# Altium PCB PCB_v6.PcbDoc (part 3 of 7)
Units mil, origin at the board's own origin, x right, y up, seen from the top; angles counter-clockwise.
Board outline 6750 x 6000 mil, 6 copper layers (Top Layer, Int1 (GND), Int2 (Sign), Int3 (Sign), Int4 (PWR), Bottom Layer), stack 61.067 mil thick; 476 components, 584 nets, 2542 pads, 986 vias.
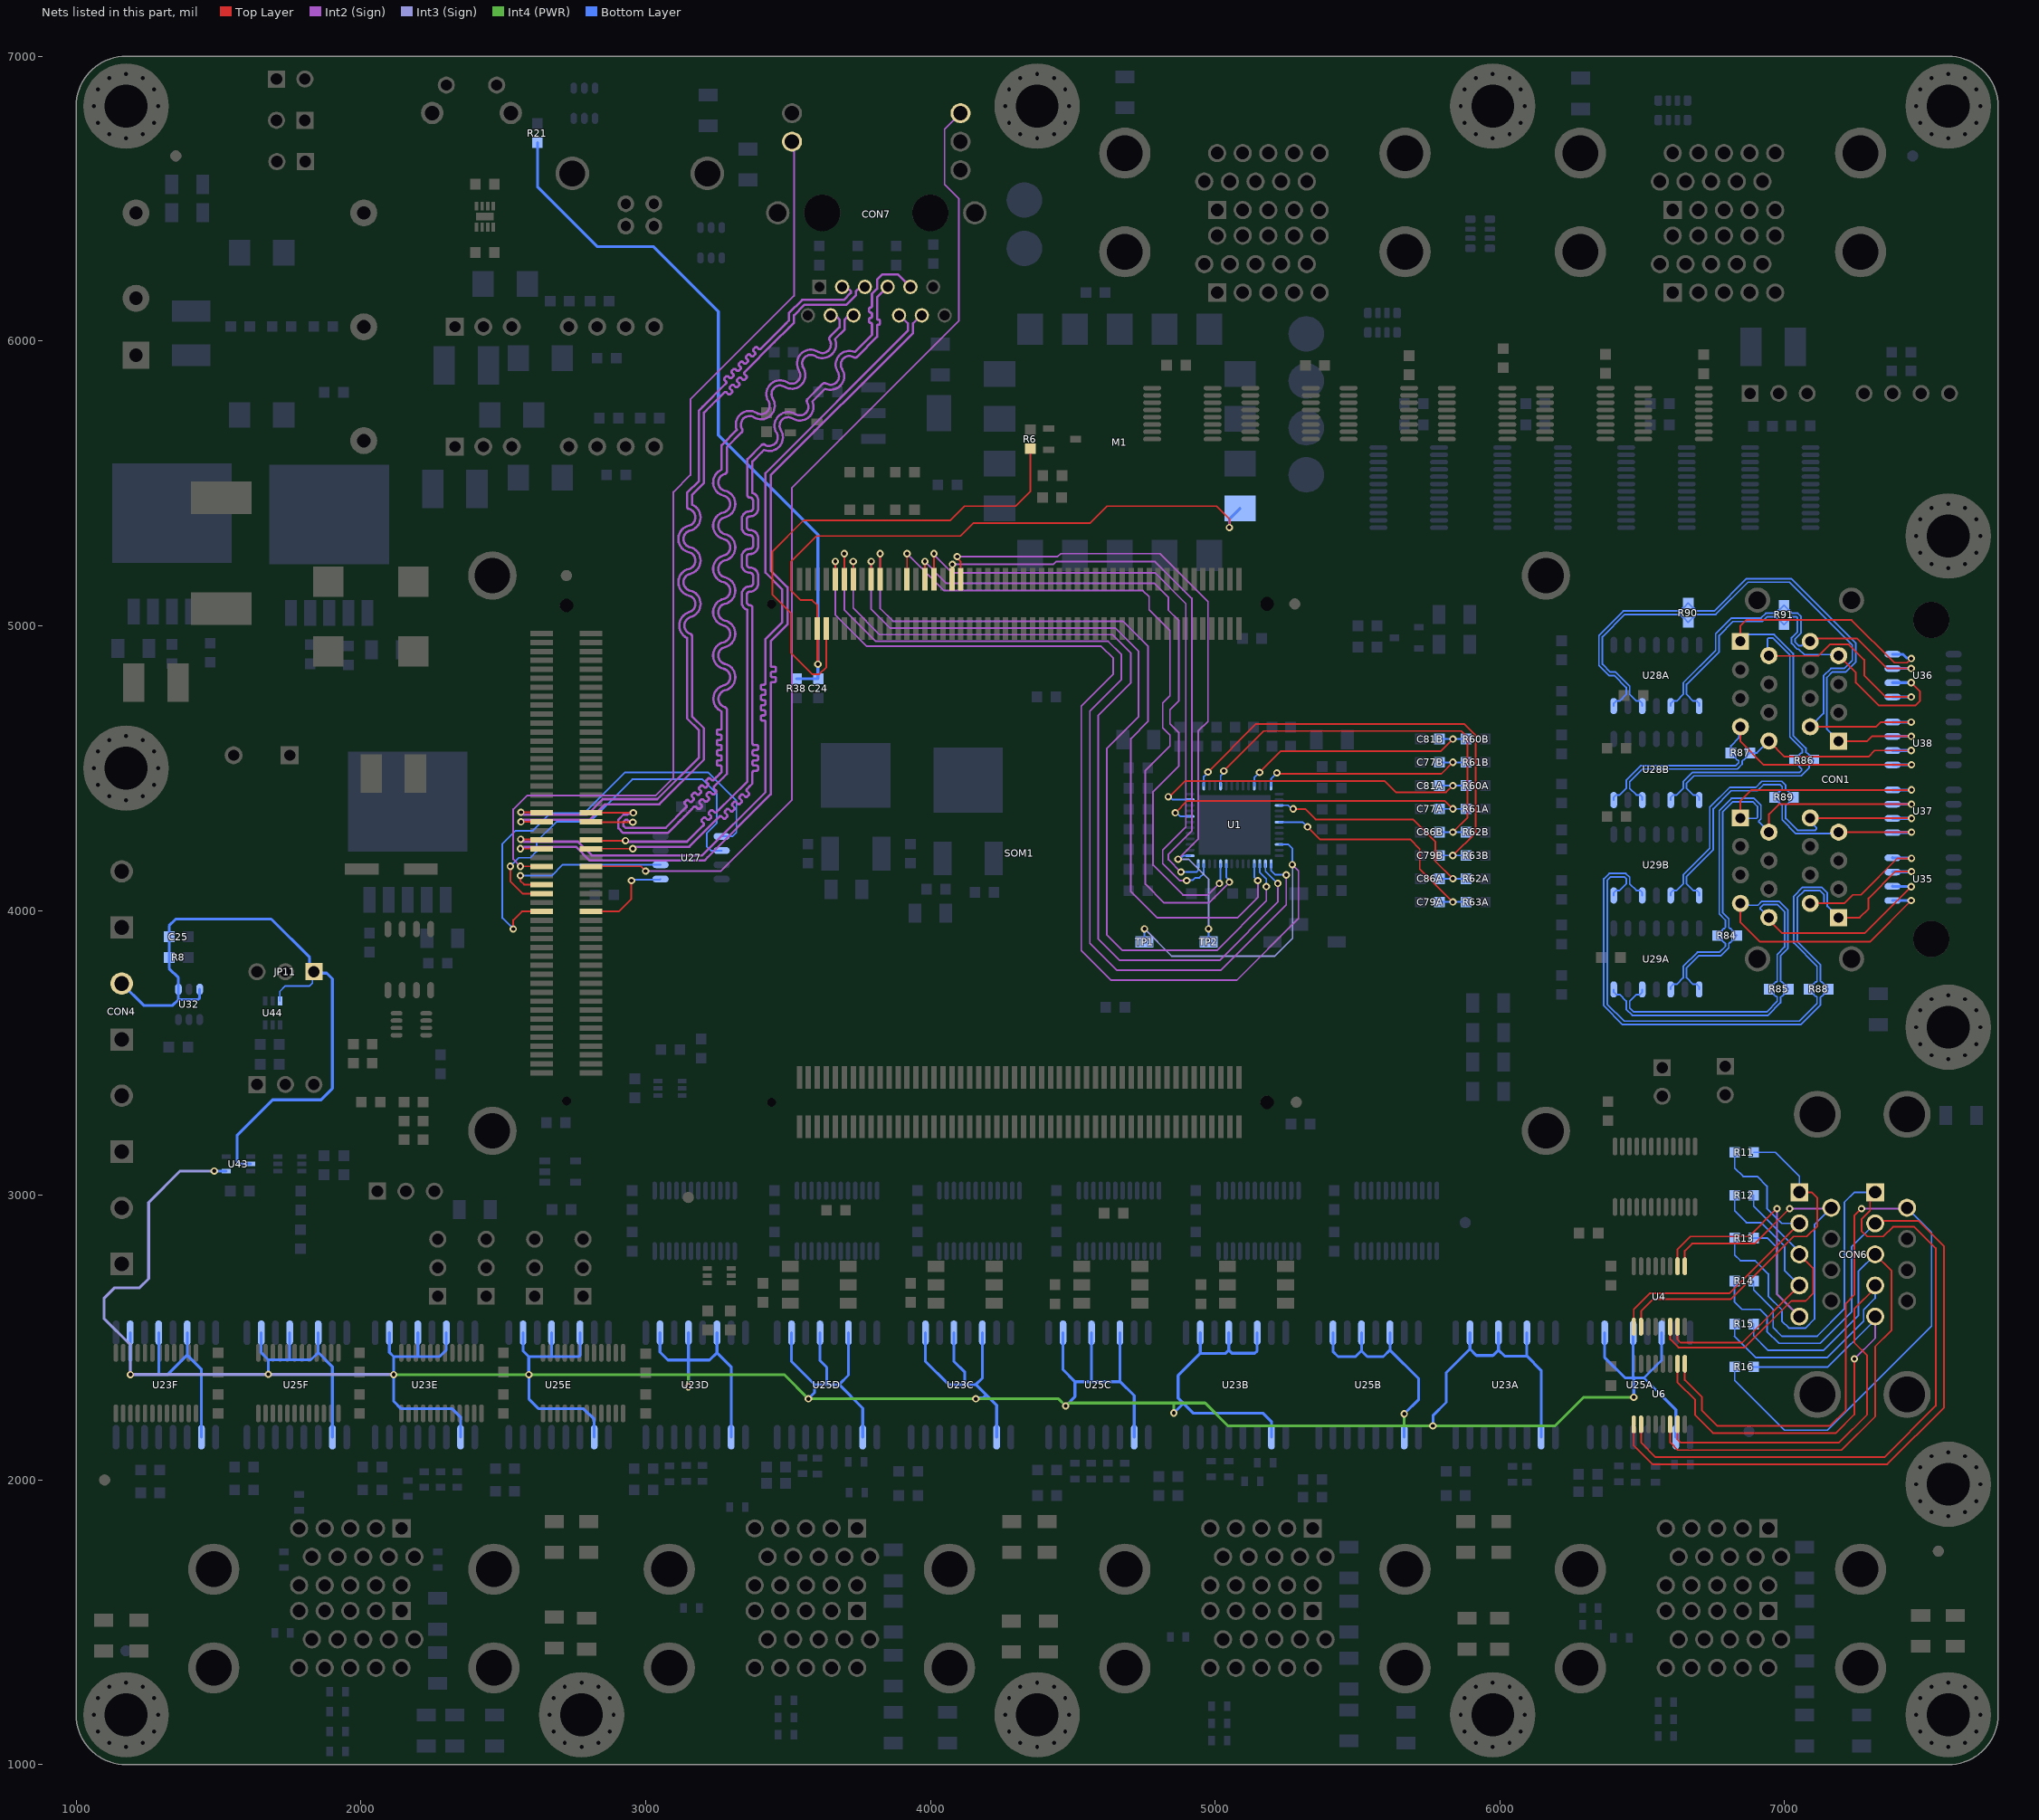
[diagram p7: the nets of this part, all layers, seen from the top]

## Via types
v1: diameter 26, hole 14, Top Layer to Bottom Layer, tented both sides, 919 vias
v2: diameter 40, hole 20, Top Layer to Bottom Layer, tented both sides, 53 vias
v3: diameter 60, hole 20, Top Layer to Bottom Layer, tented both sides, 6 vias
v4: diameter 30, hole 16, Top Layer to Bottom Layer, tented both sides, 5 vias
v5: diameter 60, hole 30, Top Layer to Bottom Layer, tented both sides, 2 vias
v6: diameter 80, hole 40, Top Layer to Bottom Layer, tented both sides, 1 vias

## Nets (pads, with @x,y where several pads share a name; then routed paths per layer and width w, separated by ;. In a path a pad name is that pad's centre, name@x,y a point inside that pad or via, vN(x,y) a via of type N, cw(c..) or ccw(c..) an arc to the next point about the centre after c; other vN are vias at no path point) (continued)
ADC_CNV: SOM1.JX1-9 TP1.1 U1.24 | length 4454.6
  Top Layer w6: SOM1.JX1-9@3666.06,5163.23 v1(3666.06,5225.5)
  Int2 (Sign) w6: v1(3666.06,5225.5) 3666.06,5038.49 3776.57,4927.98 4599.84,4927.98 4642.44,4885.38 4642.44,4830.3 4530,4717.86 4530,3859.66 4634.66,3755 5075.86,3755 5292.62,3971.76 5292.62,4139.44 v1(5271.08,4160.98)
  Int3 (Sign) w6: v1(4751.87,3935.11) 4846.99,3840 5210,3840 5272,3902 5272,4160.06 v1(5271.08,4160.98)
  Bottom Layer w6: TP1.1@4751.87,3889.11 v1(4751.87,3935.11) ; U1.24@5225,4231.57 5257.62,4231.57 5271.08,4218.11 v1(5271.08,4160.98)
ADC_IN1: C79A.1 R63A.1 U1.20 | length 861
  Top Layer w6: v1(5324.37,4293.7) 5368.07,4250 5684.84,4250 5718.72,4216.11 5718.72,4146.04 v1(5835,4029.76)
  Bottom Layer w6: U1.20@5225,4310.31 5307.76,4310.31 v1(5324.37,4293.7) ; C79A.1@5788.14,4029.76 v1(5835,4029.76) R63A.1@5881.86,4029.76
ADC_IN2: C86A.1 R62A.1 U1.17 | length 850.7
  Top Layer w6: v1(5274.07,4356.61) 5315.91,4356.61 5352.52,4320 5695,4320 5773.24,4241.76 5773.24,4173.27 v1(5835,4111.51)
  Bottom Layer w6: U1.17@5225,4369.37 5255.9,4369.37 5268.66,4356.61 v1(5274.07,4356.61) ; C86A.1@5788.14,4111.51 v1(5835,4111.51) R62A.1@5881.86,4111.51
ADC_IN3: C77B.1 R61B.1 U1.14 | length 784
  Top Layer w6: v1(5217.13,4483.11) 5220.24,4480 5794.76,4480 v1(5835,4520.24)
  Bottom Layer w6: U1.14@5196.46,4437.28 5196.46,4462.44 v1(5217.13,4483.11) ; C77B.1@5788.14,4520.24 v1(5835,4520.24) R61B.1@5881.86,4520.24
ADC_IN4: C81B.1 R60B.1 U1.11 | length 876.3
  Top Layer w6: v1(5156.38,4484.87) 5231.51,4560 5793.01,4560 v1(5835,4601.99)
  Bottom Layer w6: U1.11@5137.4,4437.28 5137.4,4465.9 v1(5156.38,4484.87) ; C81B.1@5788.14,4601.99 v1(5835,4601.99) R60B.1@5881.86,4601.99
ADC_IN5: C86B.1 R62B.1 U1.5 | length 1429
  Top Layer w6: v1(5030.39,4490) 5170.39,4630 5865,4630 5886.66,4608.34 5886.66,4326.67 v1(5835,4275)
  Bottom Layer w6: U1.5@5019.29,4437.28 5019.29,4473.49 5030.39,4484.59 v1(5030.39,4490) ; C86B.1@5788.14,4275 v1(5835,4275) R62B.1@5881.86,4275
ADC_IN6: C79B.1 R63B.1 U1.2 | length 1630.2
  Top Layer w6: v1(4975,4486.3) 5143.7,4655 5875,4655 5915,4615 5915,4273.36 v1(5834.89,4193.26)
  Bottom Layer w6: U1.2@4960.24,4437.28 4960.24,4469.95 4975,4484.71 v1(4975,4486.3) ; C79B.1@5788.14,4193.26 v1(5834.89,4193.26) R63B.1@5881.86,4193.26
ADC_IN7: C81A.1 R60A.1 U1.51 | length 1223
  Top Layer w6: v1(4835.66,4399.11) 4839.12,4399.11 4895,4455 5595,4455 5635,4415 5811.5,4415 v1(5835,4438.5)
  Bottom Layer w6: v1(4835.66,4399.11) 4841.07,4399.11 4851.13,4389.06 U1.51@4912.01,4389.06 ; C81A.1@5788.14,4438.5 v1(5835,4438.5) R60A.1@5881.86,4438.5
ADC_IN8: C77A.1 R61A.1 U1.48 | length 1155.2
  Top Layer w6: v1(4860,4343.11) 4901.89,4385 5806.75,4385 v1(5835,4356.75)
  Bottom Layer w6: v1(4860,4343.11) 4864.88,4343.11 4878,4330 U1.48@4912.01,4330 ; C77A.1@5788.14,4356.75 v1(5835,4356.75) R61A.1@5881.86,4356.75
ADC_SCK: SOM1.JX1-37 TP2.1 U1.41 | length 2392
  Top Layer w6: v1(4093.99,5242.88) 4093.99,5237.8 4107.01,5224.78 SOM1.JX1-37@4107.01,5163.23
  Int2 (Sign) w6: v1(4093.99,5242.88) 4447.46,5242.88 4457.89,5253.31 4805.95,5253.31 4975,5084.26 4975,4663.95 4940.55,4629.5 4940.55,4250.55 v1(4870,4180)
  Int3 (Sign) w6: v1(4870,4180) 4906.89,4180 4976.87,4110.01 v1(4976.87,3935.11)
  Bottom Layer w6: v1(4870,4180) 4875.06,4180 4887.26,4192.2 U1.41@4912.01,4192.2 ; TP2.1@4976.87,3889.11 v1(4976.87,3935.11)
ADC_SDO1: SOM1.JX1-11 U1.27 | length 3397.3
  Top Layer w6: SOM1.JX1-11@3697.56,5163.23 v1(3697.56,5253.31)
  Int2 (Sign) w6: v1(3697.56,5253.31) 3697.56,5056.48 3808.53,4945.51 4624.49,4945.51 4670,4900 4670,4810 4560,4700 4560,3884.87 4654.87,3790 5020,3790 5250,4020 v1(5250,4125)
  Bottom Layer w6: U1.27@5196.46,4163.66 5196.46,4140.92 5212.38,4125 v1(5250,4125)
ADC_SDO2: SOM1.JX1-13 U1.28 | length 3216
  Top Layer w6: SOM1.JX1-13@3729.06,5163.23 v1(3729.06,5225.5)
  Int2 (Sign) w6: v1(3729.06,5225.5) 3729.06,5061.7 3821.92,4968.83 4639.52,4968.83 4704.14,4904.22 4704.14,4799.59 4590,4685.46 4590,3899.87 4664.87,3825 5015.53,3825 5220.29,4029.76 5220.29,4094.71 v1(5220,4095)
  Bottom Layer w6: U1.28@5176.77,4163.66 5176.77,4138.23 v1(5220,4095)
ADC_SDO3: SOM1.JX1-17 U1.29 | length 3065.8
  Top Layer w6: SOM1.JX1-17@3792.05,5163.23 v1(3792.05,5225.5)
  Int2 (Sign) w6: v1(3792.05,5225.5) 3792.05,5058.17 3858.67,4991.55 4650.1,4991.55 4730.39,4911.26 4730.39,4679.28 4620.27,4569.16 4620.27,3913.33 4673.94,3859.66 5005.96,3859.66 5180,4033.7 v1(5180,4084)
  Bottom Layer w6: U1.29@5157.09,4163.66 5157.09,4132.91 5180,4110 v1(5180,4084)
ADC_SDO4: SOM1.JX1-19 U1.30 | length 2801.2
  Top Layer w6: SOM1.JX1-19@3823.54,5163.23 v1(3823.54,5253.31)
  Int2 (Sign) w6: v1(3823.54,5253.31) 3823.54,5060.61 3868.55,5015.6 4675.93,5015.6 4764.74,4926.78 4764.74,4664.48 4704.14,4603.87 4704.14,4066.49 4795.63,3975 5079.58,3975 5150,4045.42 v1(5150,4105)
  Bottom Layer w6: U1.30@5137.4,4163.66 5137.4,4117.6 v1(5150,4105)
ADC_SDO5: SOM1.JX1-25 U1.35 | length 2521.7
  Top Layer w6: SOM1.JX1-25@3918.03,5163.23 v1(3918.03,5253.31)
  Int2 (Sign) w6: v1(3918.03,5253.31) 4048.11,5123.23 4746.77,5123.23 4768.42,5101.58 4768.42,5055.51 4841.42,4982.51 4841.42,4753.44 4815.97,4728 4815.97,4641.01 4841.42,4615.57 4841.42,4577.72 4755,4491.3 4755,4092.54 4820.93,4026.62 4978.82,4026.62 5050,4097.8 v1(5050,4100)
  Bottom Layer w6: U1.35@5038.98,4163.66 5038.98,4116.44 5050,4105.41 v1(5050,4100)
ADC_SDO6: SOM1.JX1-29 U1.36 | length 2352.6
  Top Layer w6: SOM1.JX1-29@3981.02,5163.23 v1(3981.02,5225.5)
  Int2 (Sign) w6: v1(3981.02,5225.5) 3981.02,5224.67 4056.9,5148.8 4787.47,5148.8 4835.66,5100.61 4835.66,5055.3 4872.91,5018.04 4872.91,4736.47 4841.42,4704.97 4841.42,4655.56 4872.22,4624.76 4872.22,4506.45 4782.24,4416.48 4782.24,4159.21 4887.21,4054.24 4974.24,4054.24 v1(5015,4095)
  Bottom Layer w6: v1(5015,4095) 5018.56,4098.56 5018.56,4162.93 U1.36@5019.29,4163.66
ADC_SDO7: SOM1.JX1-31 U1.39 | length 2209.3
  Top Layer w6: SOM1.JX1-31@4012.52,5163.23 v1(4012.52,5253.31)
  Int2 (Sign) w6: v1(4012.52,5253.31) 4012.52,5249.38 4076.05,5185.86 4788.69,5185.86 4897,5077.55 4897,4292.94 4815.97,4211.92 4815.97,4164.03 4875,4105 v1(4900,4105)
  Bottom Layer w6: v1(4900,4105) 4901.79,4106.79 4922,4106.79 4930.21,4115 4945,4115 4960.24,4130.24 U1.39@4960.24,4163.66
ADC_SDO8: SOM1.JX1-35 U1.40 | length 2049.8
  Top Layer w6: SOM1.JX1-35@4075.51,5163.23 4077.66,5165.38 v1(4077.66,5215.36)
  Int2 (Sign) w6: v1(4077.66,5215.36) 4431.45,5215.36 4441.09,5225 4789.47,5225 4918,5096.47 4918,4279.26 4836.44,4197.7 4836.44,4178.56 v1(4880,4135)
  Bottom Layer w6: v1(4880,4135) 4935,4135 4940,4140 4940,4163.11 U1.40@4940.55,4163.66
ANLG_N1: CON1.2A R84.1 U29A.10 U37.3 | length 1726.1
  Top Layer w6: CON1.2A@6945,4275 6945,4338.02 6980.31,4373.33 v1(7445.71,4373.33)
  Bottom Layer w6: U29A.10@6600,3722.72 6600,3732.45 6608.14,3740.59 6620.81,3740.59 6644,3763.77 6644,3803.65 6693.97,3853.62 6771.48,3853.62 6792.15,3874.29 6792.15,3883.94 6788.64,3887.45 6786.55,3887.45 6780.39,3893.61 6780.39,3896.5 R84.1@6764.69,3912.2 6780.39,3927.9 6780.39,3930.79 6786.55,3936.95 6788.64,3936.95 6792.15,3940.46 6792.15,3966.29 6770.55,3987.9 6770.55,4351.18 6813.05,4393.68 6893.27,4393.68 6913.49,4373.47 6917,4369.95 6917,4322.08 6909.95,4315.03 6909.95,4310.05 CON1.2A@6945,4275
  Bottom Layer w10: U37.3@7379.29,4373.33 v1(7445.71,4373.33)
ANLG_N2: CON1.8A R85.1 U29A.12 U35.2 | length 1788.2
  Top Layer w6: CON1.8A@6945,3975 6945,3966.47 6991.47,3920 7281.36,3920 v1(7444.82,4083.46)
  Bottom Layer w6: U29A.12@6500,3722.72 6500,3712.99 6491.86,3704.85 6479.19,3704.85 6456,3681.66 6456,3658.24 6470.39,3643.85 6936.95,3643.85 6973.97,3680.87 6973.97,3695.37 6970.46,3698.88 6968.37,3698.88 6962.21,3705.04 6962.21,3707.93 R85.1@6946.51,3723.63 6962.21,3739.33 6962.21,3742.22 6968.37,3748.38 6970.46,3748.38 6973.97,3751.89 6973.97,3845.62 7000,3871.65 7000,3995.39 6975,4020.39 6925.63,4020.39 6915.1,4009.87 6915.1,4004.9 CON1.8A@6945,3975
  Bottom Layer w10: U35.2@7379.29,4085 7380.06,4084.23 7444.05,4084.23 v1(7444.82,4083.46)
ANLG_N3: CON1.2B R86.1 U28B.10 U36.1 | length 1825
  Top Layer w6: CON1.2B@6945,4895 6946,4894 7119,4894 7159,4934 7226,4934 7280,4880 7280,4825 7355,4750 v1(7444.82,4750)
  Bottom Layer w6: U28B.10@6600,4387.72 6600,4397.45 6608.14,4405.59 6620.81,4405.59 6644,4428.77 6644,4451.73 6677.11,4484.84 7053.23,4484.84 7060,4491.61 7060,4496.58 7051.13,4505.46 7051.13,4511.91 R86.1@7035.42,4527.61 7051.13,4543.31 7051.13,4546.2 7057.29,4552.36 7059.37,4552.36 7062.89,4555.88 7062.89,4565 7018.49,4609.4 7018.49,4897.54 6958.66,4957.37 6944,4957.37 6940.49,4953.85 6940.49,4899.51 CON1.2B@6945,4895
  Bottom Layer w10: U36.1@7379.29,4750 v1(7444.82,4750)
ANLG_N4: CON1.8B R87.1 U28B.12 U38.2 | length 1243.5
  Top Layer w6: CON1.8B@6945,4595 7000,4540 7294.41,4540 7316.08,4561.67 v1(7444.82,4561.67)
  Bottom Layer w6: U28B.12@6500,4387.72 6500,4397.45 6491.86,4405.59 6479.19,4405.59 6456,4428.77 6456,4451.73 6501.11,4496.84 6834.19,4496.84 6851,4513.65 6851,4525.05 6854.51,4528.57 6856.6,4528.57 6862.76,4534.73 6862.76,4537.61 R87.1@6878.46,4553.31 6903.31,4553.31 CON1.8B@6945,4595
  Bottom Layer w10: U38.2@7379.29,4561.67 v1(7444.82,4561.67)
ANLG_N5: CON1.2C R88.1 U29B.12 U35.4 | length 2567.1
  Top Layer w6: CON1.2C@7090,4025 7210,4025 7240,4055 7267.89,4055 7396.1,4183.21 v1(7445.71,4183.21)
  Bottom Layer w6: U29B.12@6500,4052.72 6500,4062.45 6491.86,4070.59 6479.19,4070.59 6456,4093.77 6456,4116.48 6442.27,4130.21 6384.23,4130.21 6365.05,4111.03 6365.05,3665.61 6431.28,3599.38 7056.93,3599.38 7126,3668.45 7126,3695.37 7129.51,3698.88 7131.6,3698.88 7137.76,3705.04 7137.76,3707.93 R88.1@7153.46,3723.63 7137.76,3739.33 7137.76,3742.22 7131.6,3748.38 7129.51,3748.38 7126,3751.89 7126,3809 7120,3815 7044.36,3890.64 7044.36,4045.02 7068.79,4069.45 7124.91,4069.45 7129.68,4064.68 7138.17,4056.2 7138.17,4028.51 7134.65,4025 CON1.2C@7090,4025
  Bottom Layer w10: U35.4@7379.29,4185 7380.19,4184.11 7444.82,4184.11 v1(7445.71,4183.21)
ANLG_N6: CON1.8C R89.1 U29B.10 U37.2 | length 1423.9
  Top Layer w6: CON1.8C@7090,4325 7090.83,4324.17 7444.88,4324.17 v1(7445.71,4323.33)
  Bottom Layer w6: U29B.10@6600,4052.72 6600,4062.45 6608.14,4070.59 6620.81,4070.59 6644,4093.77 6644,4124.64 6737.51,4218.16 6737.51,4362.45 6807.35,4432.29 6899.38,4432.29 6920.7,4453.61 6990.23,4453.61 7003.73,4440.11 7003.73,4425.71 7007.25,4422.19 7009.34,4422.19 7015.5,4416.03 7015.5,4413.15 R89.1@7031.2,4397.45 7015.5,4381.74 7015.5,4378.86 7009.34,4372.7 7007.25,4372.7 7003.73,4369.18 7003.73,4322.96 7045.01,4281.68 7108,4281.68 7111.51,4285.2 7111.51,4291.36 7090,4312.88 CON1.8C@7090,4325
  Bottom Layer w10: U37.2@7379.29,4323.33 v1(7445.71,4323.33)
ANLG_N7: CON1.2D R90.1 U28A.12 U38.4 | length 2197.6
  Top Layer w6: CON1.2D@7090,4645 7321.22,4645 7337.89,4661.67 v1(7444.82,4661.67)
  Bottom Layer w6: U28A.12@6500,4717.72 6500,4727.45 6491.86,4735.59 6479.19,4735.59 6456,4758.77 6456,4787.98 6406.98,4837 6388.19,4837 6360,4865.19 6360,4961.19 6438.52,5039.71 6633.55,5039.71 6637.06,5036.19 6637.06,5034.11 6643.22,5027.94 6646.11,5027.94 R90.1@6661.81,5012.24 6677.51,5027.94 6680.4,5027.94 6686.56,5034.11 6686.56,5036.19 6690.07,5039.71 6758.35,5039.71 6871.65,5153 7017.76,5153 7238,4932.76 7238,4878 7210,4850 7163.03,4850 7136.51,4823.49 7136.51,4691.51 CON1.2D@7090,4645
  Bottom Layer w10: U38.4@7379.29,4661.67 v1(7444.82,4661.67)
ANLG_N8: CON1.8D R91.1 U28A.10 U36.3 | length 1317
  Top Layer w6: CON1.8D@7090,4945 7100,4955 7255,4955 7360,4850 v1(7444.82,4850)
  Bottom Layer w6: U28A.10@6600,4717.72 6600,4727.45 6608.14,4735.59 6620.81,4735.59 6644,4758.77 6644,4799.42 6758,4913.42 6758,4971.16 6813.74,5026.9 6917.27,5026.9 6934.2,5043.83 6969.47,5043.83 6972.99,5047.35 6972.99,5049.44 6979.15,5055.6 6982.03,5055.6 R91.1@6997.73,5071.3 7013.44,5055.6 7016.32,5055.6 7022.48,5049.44 7022.48,5047.35 7026,5043.83 7046.47,5043.83 7057.01,5033.29 7057.01,4973.81 7036.32,4953.12 7036.32,4943.18 7049.54,4929.96 7060.35,4929.96 7075.39,4945 CON1.8D@7090,4945
  Bottom Layer w10: U36.3@7379.29,4850 v1(7444.82,4850)
ANLG_P1: CON1.1A R84.2 U29A.8 U37.4 | length 1777.1
  Top Layer w6: CON1.1A@6845,4325 6845,4385 6883.33,4423.33 v1(7445.71,4423.33)
  Bottom Layer w6: U29A.8@6700,3722.72 6700,3732.45 6691.86,3740.59 6679.19,3740.59 6656,3763.77 6656,3798.68 6698.94,3841.62 6776.46,3841.62 6804.15,3869.32 6804.15,3883.94 6807.67,3887.45 6809.76,3887.45 6815.92,3893.61 6815.92,3896.5 R84.2@6831.62,3912.2 6815.92,3927.9 6815.92,3930.79 6809.76,3936.95 6807.67,3936.95 6804.15,3940.46 6804.15,3971.26 6782.55,3992.87 6782.55,4346.21 6818.02,4381.68 6888.3,4381.68 6905,4364.98 6905,4327.05 6901.46,4323.51 6846.49,4323.51 CON1.1A@6845,4325
  Bottom Layer w10: U37.4@7379.29,4423.33 v1(7445.71,4423.33)
ANLG_P2: CON1.7A R85.2 U29A.14 U35.1 | length 2033.8
  Top Layer w6: CON1.7A@6845,4025 6845,3958.33 6913.33,3890 7299.82,3890 v1(7444.82,4035)
  Bottom Layer w6: U29A.14@6400,3722.72 6400,3712.99 6408.14,3704.85 6420.81,3704.85 6444,3681.66 6444,3653.27 6465.42,3631.85 6941.92,3631.85 6985.97,3675.9 6985.97,3695.37 6989.49,3698.88 6991.57,3698.88 6997.73,3705.04 6997.73,3707.93 R85.2@7013.44,3723.63 6997.73,3739.33 6997.73,3742.22 6991.57,3748.38 6989.49,3748.38 6985.97,3751.89 6985.97,3840.65 7012,3866.68 7012,4000.36 6979.97,4032.39 6920.66,4032.39 6906.62,4018.35 6851.65,4018.35 CON1.7A@6845,4025
  Bottom Layer w10: U35.1@7379.29,4035 v1(7444.82,4035)
ANLG_P3: CON1.1B R86.2 U28B.8 U36.4 | length 2003.5
  Top Layer w6: CON1.1B@6845,4945 6845,5000 6865,5020 7235,5020 7385,4870 7430,4870 v1(7445,4885)
  Bottom Layer w6: U28B.8@6700,4387.72 6700,4397.45 6691.86,4405.59 6679.19,4405.59 6656,4428.77 6656,4446.76 6682.08,4472.84 7058.2,4472.84 7086.65,4501.3 7086.65,4511.91 R86.2@7102.35,4527.61 7086.65,4543.31 7086.65,4546.2 7080.49,4552.36 7078.4,4552.36 7074.89,4555.88 7074.89,4569.97 7030.49,4614.37 7030.49,4902.51 6963.63,4969.37 6869.37,4969.37 CON1.1B@6845,4945
  Bottom Layer w10: U36.4@7379.29,4900 7415,4900 7427.7,4887.3 7442.7,4887.3 v1(7445,4885)
ANLG_P4: CON1.7B R87.2 U28B.14 U38.1 | length 1420.7
  Top Layer w6: CON1.7B@6845,4645 6845,4593.48 6926.81,4511.67 v1(7445.71,4511.67)
  Bottom Layer w6: U28B.14@6400,4387.72 6400,4397.45 6408.14,4405.59 6420.81,4405.59 6444,4428.77 6444,4456.7 6496.14,4508.84 6829.22,4508.84 6839,4518.62 6839,4525.05 6835.49,4528.57 6833.4,4528.57 6827.24,4534.73 6827.24,4537.61 R87.2@6811.54,4553.31 6811.54,4578.48 6839.06,4606 6839.06,4639.06 CON1.7B@6845,4645
  Bottom Layer w10: U38.1@7379.29,4511.67 v1(7445.71,4511.67)
ANLG_P5: CON1.1C R88.2 U29B.14 U35.3 | length 2470.8
  Top Layer w6: CON1.1C@7190,3975 7263.58,3975 7294.41,4005.83 7294.41,4042.74 7388.46,4136.79 v1(7445.71,4136.79)
  Bottom Layer w6: U29B.14@6400,4052.72 6400,4062.45 6408.14,4070.59 6420.81,4070.59 6444,4093.77 6444,4111.51 6437.3,4118.21 6389.2,4118.21 6377.05,4106.06 6377.05,3670.58 6436.25,3611.38 7051.96,3611.38 7114,3673.43 7114,3695.37 7110.49,3698.88 7108.4,3698.88 7102.24,3705.04 7102.24,3707.93 R88.2@7086.54,3723.63 7102.24,3739.33 7102.24,3742.22 7108.4,3748.38 7110.49,3748.38 7114,3751.89 7114,3804.03 7032.36,3885.67 7032.36,4049.99 7063.82,4081.45 7129.88,4081.45 7150.17,4061.17 7150.17,4014.83 CON1.1C@7190,3975
  Bottom Layer w10: U35.3@7379.29,4135 7380.19,4135.89 7444.82,4135.89 v1(7445.71,4136.79)
ANLG_P6: CON1.7C R89.2 U29B.8 U37.1 | length 1334.5
  Top Layer w6: CON1.7C@7190,4275 v1(7445.71,4275)
  Bottom Layer w6: U29B.8@6700,4052.72 6700,4062.45 6691.86,4070.59 6679.19,4070.59 6656,4093.77 6656,4119.67 6749.51,4213.19 6749.51,4357.48 6812.33,4420.29 6904.35,4420.29 6925.67,4441.61 6985.26,4441.61 6991.73,4435.14 6991.73,4425.71 6988.22,4422.19 6986.13,4422.19 6979.97,4416.03 6979.97,4413.15 R89.2@6964.27,4397.45 6979.97,4381.74 6979.97,4378.86 6986.13,4372.7 6988.22,4372.7 6991.73,4369.18 6991.73,4317.99 7040.04,4269.68 7184.68,4269.68 CON1.7C@7190,4275
  Bottom Layer w10: U37.1@7379.29,4273.33 7380.12,4274.17 7444.88,4274.17 v1(7445.71,4275)
ANLG_P7: CON1.1D R90.2 U28A.14 U38.3 | length 2185.4
  Top Layer w6: CON1.1D@7190,4595 7290,4595 7306.67,4611.67 v1(7444.88,4611.67)
  Bottom Layer w6: U28A.14@6400,4717.72 6400,4727.45 6408.14,4735.59 6420.81,4735.59 6444,4758.77 6444,4783.01 6402.01,4825 6383.22,4825 6348,4860.22 6348,4966.16 6433.55,5051.71 6633.55,5051.71 6637.06,5055.22 6637.06,5057.31 6643.22,5063.47 6646.11,5063.47 R90.2@6661.81,5079.17 6677.51,5063.47 6680.4,5063.47 6686.56,5057.31 6686.56,5055.22 6690.07,5051.71 6753.38,5051.71 6866.68,5165 7022.73,5165 7250,4937.73 7250,4873.03 7214.97,4838 7168,4838 7148.51,4818.51 7148.51,4636.49 CON1.1D@7190,4595
  Bottom Layer w10: U38.3@7379.29,4611.67 v1(7444.88,4611.67)
ANLG_P8: CON1.7D R91.2 U28A.8 U36.2 | length 1459.7
  Top Layer w6: CON1.7D@7190,4895 7250,4835 7250,4800 7330,4720 7460,4720 7475,4735 7475,4769.82 v1(7444.82,4800)
  Bottom Layer w6: U28A.8@6700,4717.72 6700,4727.45 6691.86,4735.59 6679.19,4735.59 6656,4758.77 6656,4794.45 6770,4908.45 6770,4966.19 6818.71,5014.9 6922.24,5014.9 6939.17,5031.83 6969.47,5031.83 6972.99,5028.32 6972.99,5026.23 6979.15,5020.07 6982.03,5020.07 R91.2@6997.73,5004.37 7013.44,5020.07 7016.32,5020.07 7022.48,5026.23 7022.48,5028.32 7026,5031.83 7041.5,5031.83 7045.01,5028.32 7045.01,4978.78 7024.32,4958.09 7024.32,4938.21 7044.57,4917.96 7049.54,4917.96 7068.89,4898.61 7186.39,4898.61 CON1.7D@7190,4895
  Bottom Layer w10: U36.2@7379.29,4800 v1(7444.82,4800)
CARRIER_SRST_N: C24.2 M1.9 R21.2 R38.2 SOM1.JX1-6 | length 4655.5
  Top Layer w6: SOM1.JX1-6@3603.07,4990 3603.07,5071.93 3585,5090 3545,5090 3510,5125 3510,5225 3600,5315 4105,5315 4150,5360 4560,5360 4620,5420 5005,5420 5050,5375 v1(5050,5345)
  Top Layer w10: SOM1.JX1-6@3603.07,4990 3604.04,4989.04 3604.04,4865.96 v1(3605,4865)
  Bottom Layer w10: R21.2@2620,6696.54 2620,6541.84 2830.7,6331.14 3028.34,6331.14 3255.59,6103.89 3255.59,5669.41 3605,5320 v1(3605,4865) 3605,4815 3603.46,4813.46 R38.2@3530,4813.46 ; v1(5050,5345) 5050,5374.37 M1.9@5087.48,5411.85
DRIVE_EN: U23A.2 U23A.4 U23A.6 U23A.10 U23B.2 U23B.4 U23B.6 U23B.10 U23C.2 U23C.4 U23C.6 U23C.10 U23D.2 U23D.4 U23D.6 U23D.10 U23E.2 U23E.4 U23E.6 U23E.10 U23F.2 U23F.4 U23F.6 U23F.10 U25A.2 U25A.4 U25A.6 U25A.10 U25B.2 U25B.4 U25B.6 U25B.10 U25C.2 U25C.4 U25C.6 U25C.10 U25D.2 U25D.4 U25D.6 U25D.10 U25E.2 U25E.4 U25E.6 U25E.10 U25F.2 U25F.4 U25F.6 U25F.10 U43.4 | length 17798.6
  Int4 (PWR) w10: v1@2114.48,2370.48 v1(2115,2369.96) v1(2589.92,2369.96) 3150.46,2369.96 ; v1(3150,2327.25) 3150,2369.5 3150.46,2369.96 ; v1(4855,2235) 4855,2270 ; v1(5664.05,2232.14) 5664.05,2190 ; v1(6470.41,2290.37) 6294.63,2290.37 6194.26,2190 v1(5765,2190) 5664.05,2190 ; 3150.46,2369.96 3486.61,2369.96 v1(3571.58,2285) v1(4159.51,2285) 4450,2285 v1(4475,2260) 4485,2270 4855,2270 ; 4855,2270 4965,2270 5045,2190 5664.05,2190
  Int4 (PWR) w20: v1@1672.88,2369.96 1673.92,2371 v1(1675,2371) v1@1675.52,2370.48
  Int3 (Sign) w10: v1(1485,3085) 1365,3085 1254.56,2974.56 1254.56,2706.43 1223.12,2675 1135.48,2675 1097.58,2637.09 1097.58,2567.43 1190.73,2474.27 v1(1190.73,2369.96) 1191.25,2370.48 1674.48,2370.48 v1(1675,2371) ; v1@1675.52,2370.48 v1@2114.48,2370.48